# KiCad board afterglow_nano_smd.kicad_pcb
title: afterglow 1.3; company: morbid cornflakes
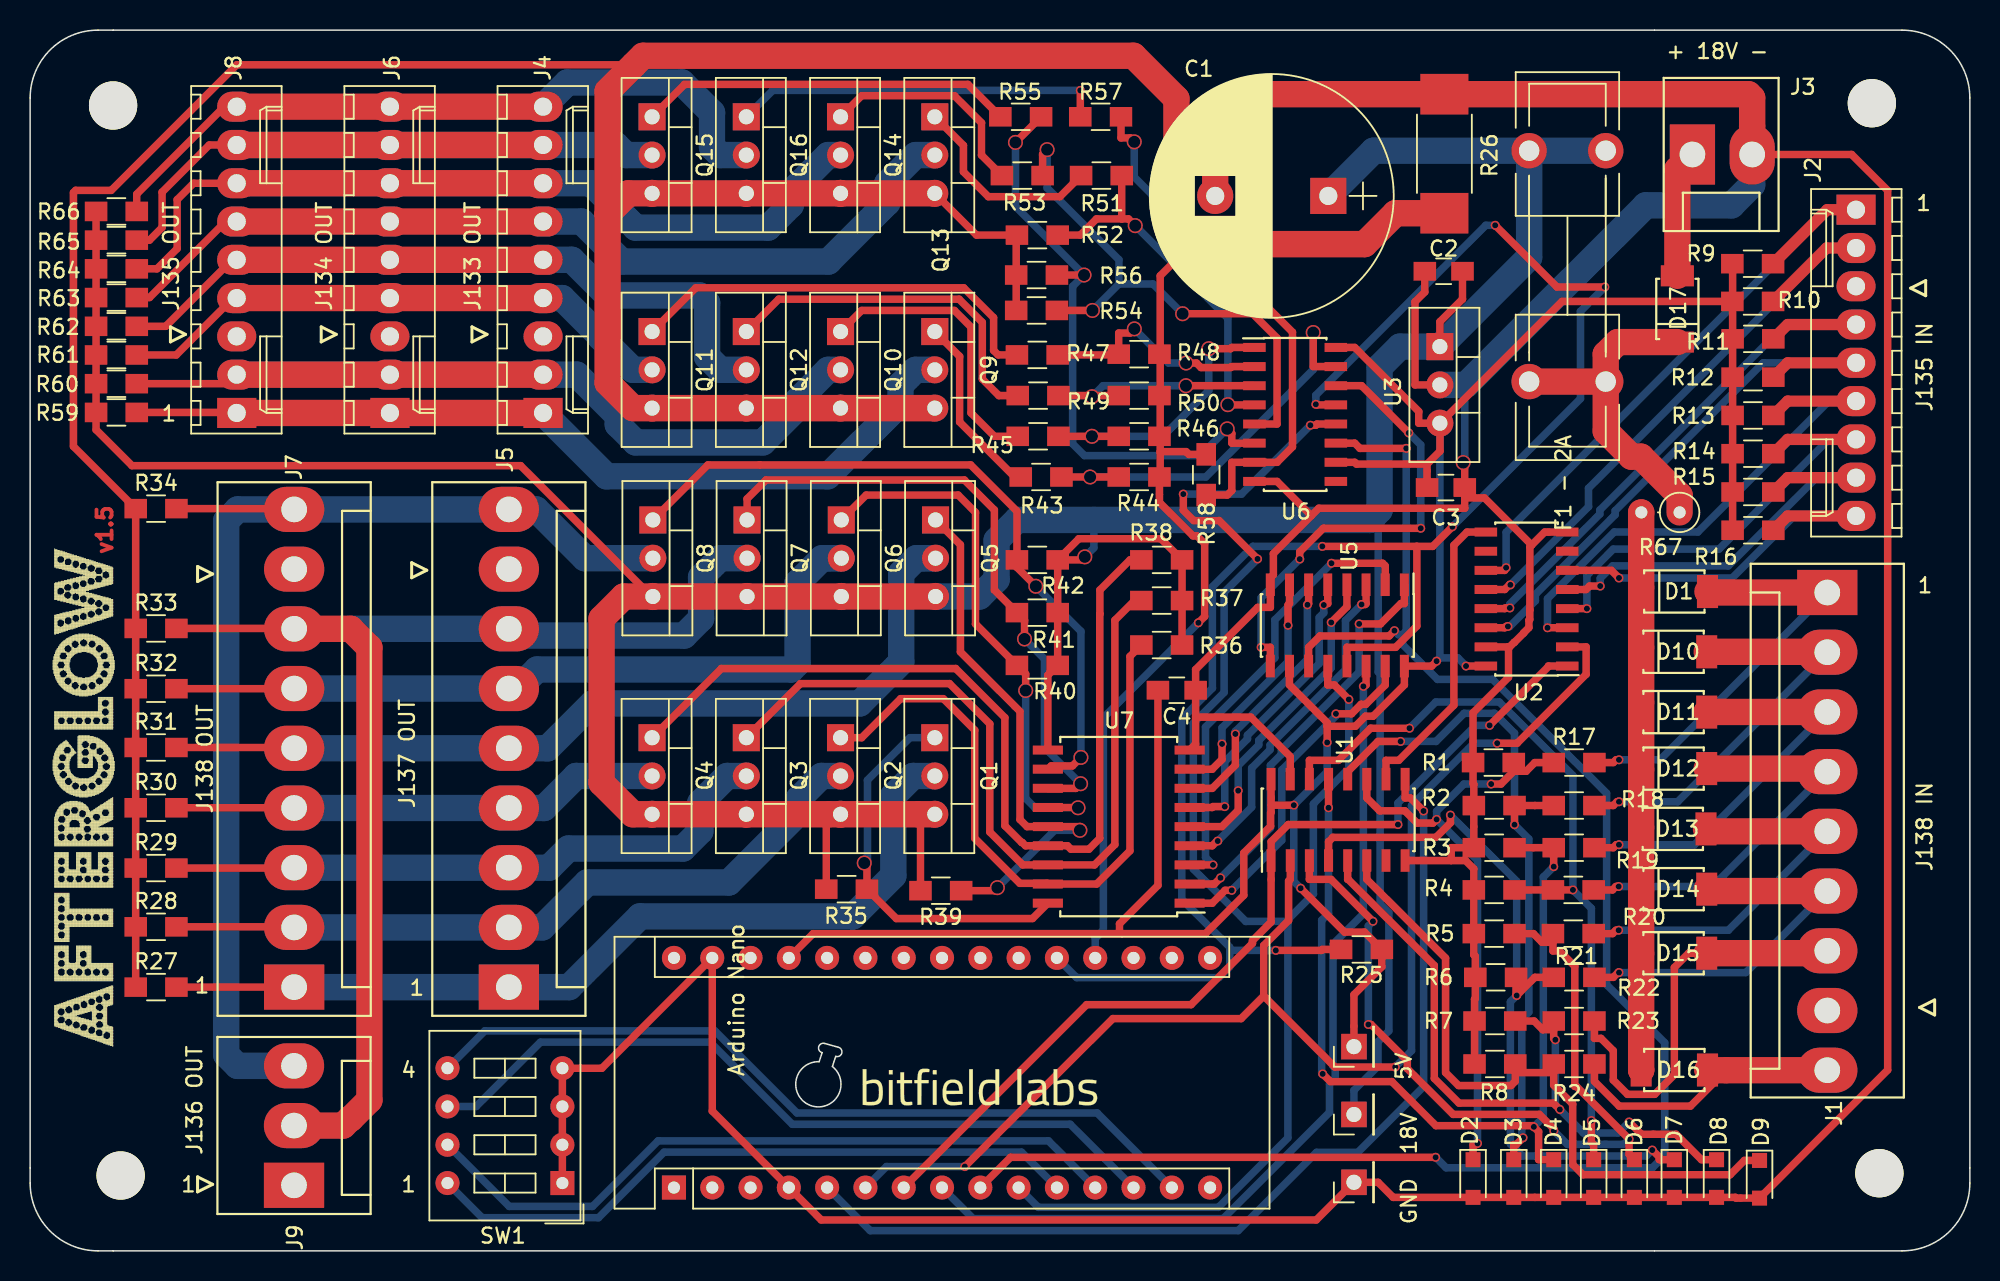
[diagram p0: board, top side]
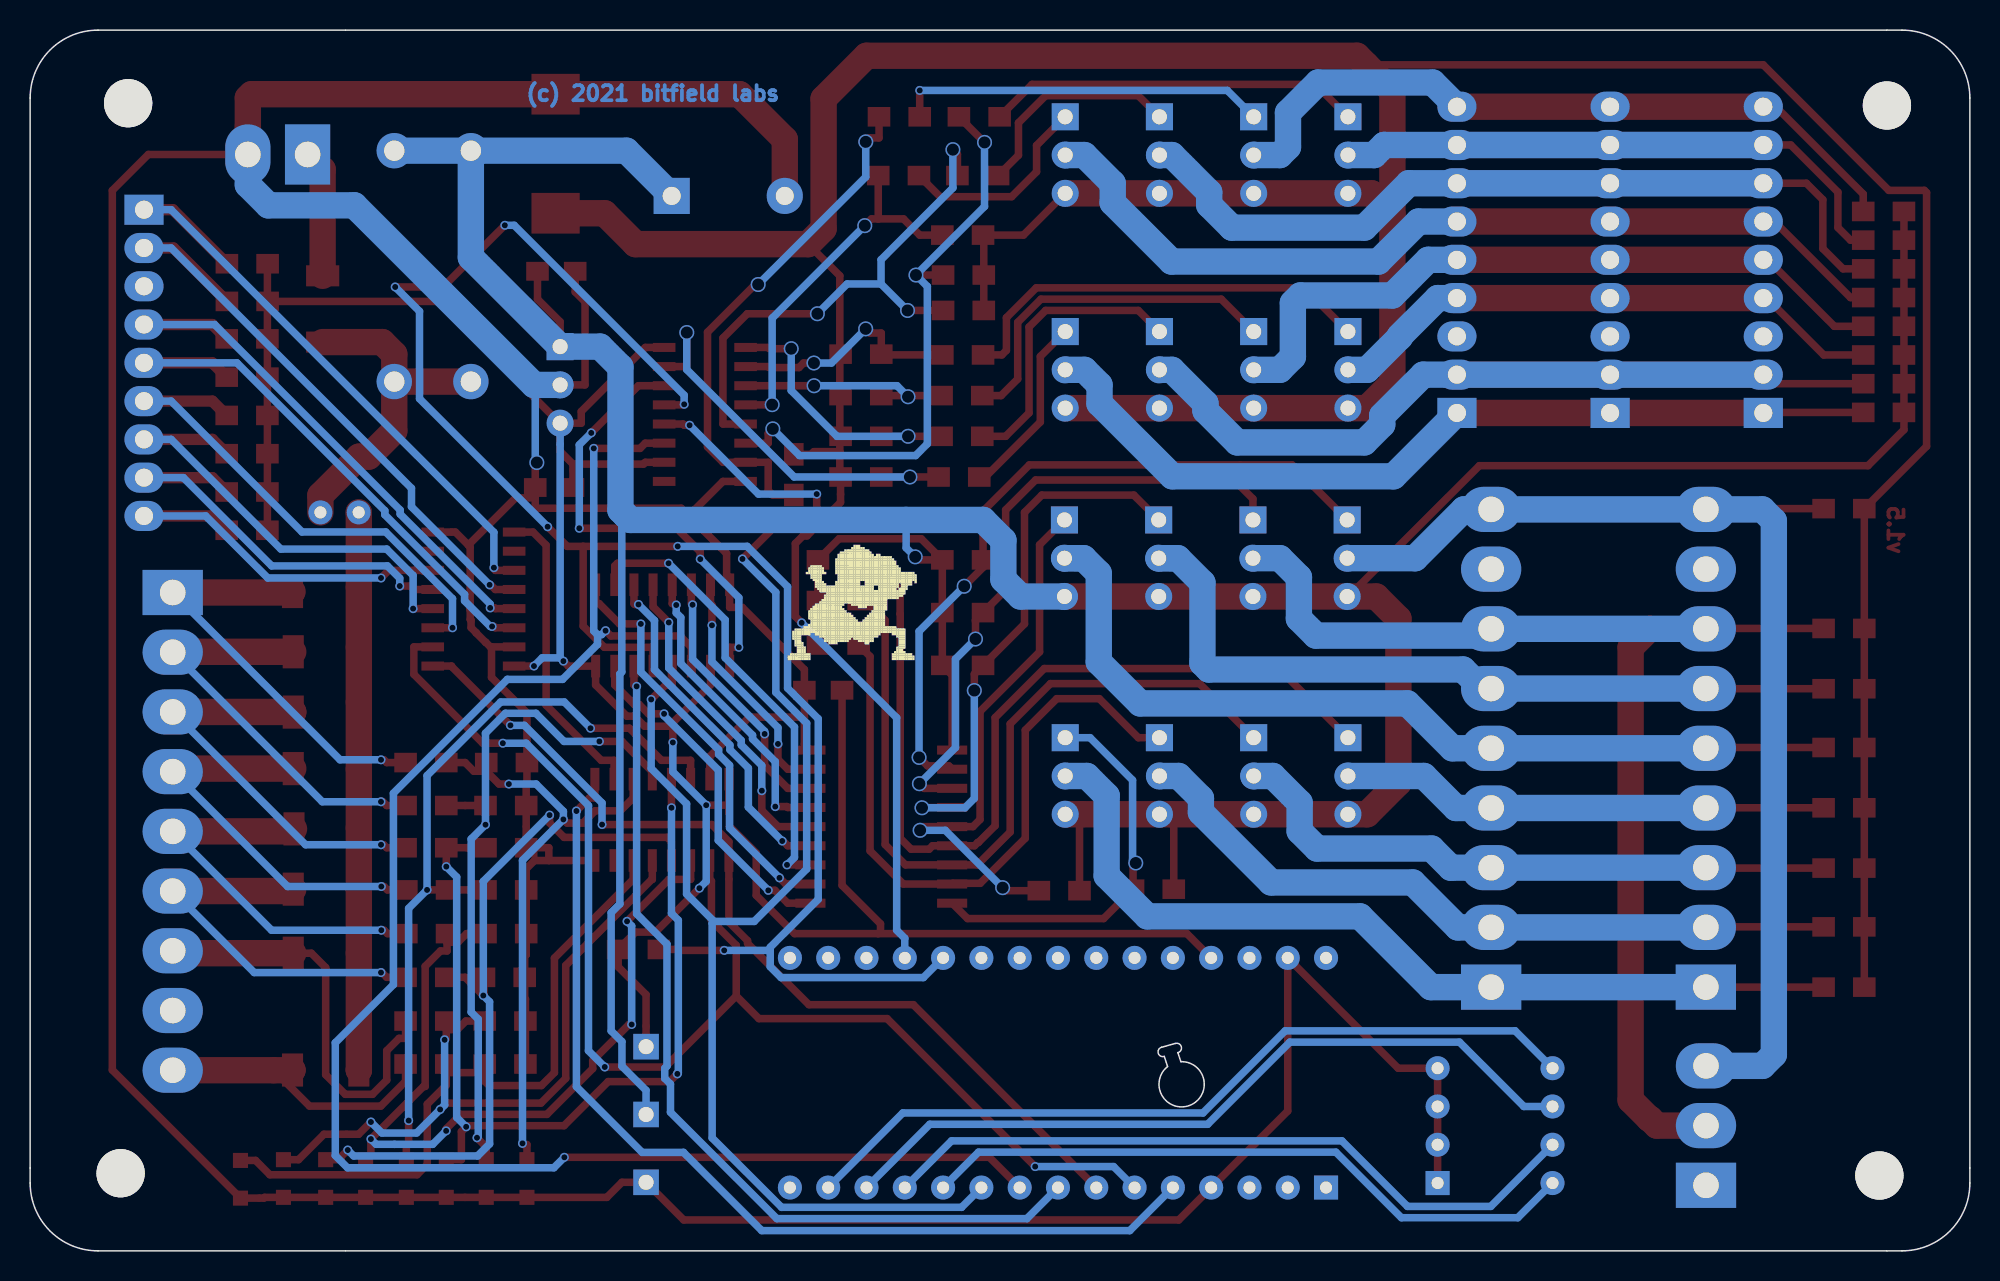
[diagram p1: board, bottom side, seen from below]

Outline 128.65 x 81 mm; copper layers: Top, Bottom. Coordinates in mm from the lower left corner of the outline.
Outline path: 0,76.5 0,4.5 arc(1.32,1.32) 4.5,0 124.15,0 arc(127.33,1.32) 128.65,4.5 128.65,76.5 arc(127.33,79.68) 124.15,81 4.5,81 arc(1.32,79.68) 0,76.5 ; 52.33,12.55 52.53,13.15 arc(52.3,13.55) 52.71,13.76 53.61,13.51 arc(53.83,13.11) 53.43,12.9 53.21,12.23 arc(51.76,9.64) 52.33,12.55

## Placement (name value [footprint] x y rotation side)
5V  TestPoint  [Pin_Header_Straight_1x01_Pitch2.54mm]  87.8 13.55 90 top
18V  TestPoint  [Pin_Header_Straight_1x01_Pitch2.54mm]  87.8 9.05 90 top
afterglow  -  [afterglow]  1.5 13.55 90 top
Arduino Nano  Arduino_Nano_v3.x  [Arduino_Nano]  42.7 4.2 90 top
C1  1000uF  [CP_Radial_D16.0mm_P7.50mm]  86.1 70 180 top
C2  0.33  [C_0805_HandSoldering]  93.75 65 180 top
C3  0.1  [C_0805_HandSoldering]  93.9 50.65 0 top
C4  0.33  [C_0805_HandSoldering]  76.05 37.2 180 top
D1  RB080  [SOD-128]  109.05 43.75 180 top
D2  4.7V  [D_SOD-323_HandSoldering]  95.7 4.8 270 top
D3  4.7V  [D_SOD-323_HandSoldering]  98.4 4.8 270 top
D4  4.7V  [D_SOD-323_HandSoldering]  101.05 4.8 270 top
D5  4.7V  [D_SOD-323_HandSoldering]  103.7 4.8 270 top
D6  4.7V  [D_SOD-323_HandSoldering]  106.4 4.8 270 top
D7  4.7V  [D_SOD-323_HandSoldering]  109.05 4.8 270 top
D8  4.7V  [D_SOD-323_HandSoldering]  111.85 4.8 270 top
D9  4.7V  [D_SOD-323_HandSoldering]  114.7 4.75 270 top
D10  RB080  [SOD-128]  109 39.75 180 top
D11  RB080  [SOD-128]  109 35.75 180 top
D12  RB080  [SOD-128]  109 32 180 top
D13  RB080  [SOD-128]  108.95 28 180 top
D14  RB080  [SOD-128]  109 24 180 top
D15  RB080  [SOD-128]  109 19.75 180 top
D16  RB080  [SOD-128]  109.05 12 180 top
D17  RB080  [SOD-128]  109.25 62.5 270 top
F1 - 2A  5A SB  [Fuseholder5x20_horiz_open_lateral_Type-II]  104.5 73 270 top
FLAKIE  -  [FLAKIE_inv]  78.55 46.85 180 bottom
G***  LOGO  [bl_text]  62.98 10.8 0 top
GND  TestPoint  [Pin_Header_Straight_1x01_Pitch2.54mm]  87.8 4.55 90 top
J1  J137_IN_C  [Molex_KK-41791-9_9x3.96mm_Straight]  119.19 43.69 270 top
J2  J133_IN_R  [Molex_KK-6410-09_09x2.54mm_Straight]  121.1 69.09 270 top
J3  Conn_Power  [Molex_KK-41791-02_02x3.96mm_Straight]  110.25 72.75 0 top
J4  J133_OUT_R  [Molex_KK-6410-09_09x2.54mm_Straight]  34.02 55.6 90 top
J5  J137_OUT_C  [Molex_KK-41791-9_9x3.96mm_Straight]  31.75 17.5 90 top
J6  J134_OUT_R  [Molex_KK-6410-09_09x2.54mm_Straight]  23.86 55.6 90 top
J7  J138_OUT_C  [Molex_KK-41791-9_9x3.96mm_Straight]  17.51 17.5 90 top
J8  J135_OUT_R  [Molex_KK-6410-09_09x2.54mm_Straight]  13.7 55.6 90 top
J9  136_OUT_C  [Molex_KK-41791-03_03x3.96mm_Straight]  17.5 4.35 90 top
M3_1  -  [MountingHole_3.2mm_M3]  5.5 76 0 top
M3_2  -  [MountingHole_3.2mm_M3]  122.15 76.15 0 top
M3_3  -  [MountingHole_3.2mm_M3]  122.65 5.15 0 top
M3_4  -  [MountingHole_3.2mm_M3]  6 5 0 top
Q1  FQP11P06  [TO-220_Vertical]  60 34.05 270 top
Q2  FQP11P06  [TO-220_Vertical]  53.75 34.05 270 top
Q3  FQP11P06  [TO-220_Vertical]  47.5 34.05 270 top
Q4  FQP11P06  [TO-220_Vertical]  41.25 34.05 270 top
Q5  FQP11P06  [TO-220_Vertical]  60.05 48.5 270 top
Q6  FQP11P06  [TO-220_Vertical]  53.8 48.5 270 top
Q7  FQP11P06  [TO-220_Vertical]  47.55 48.5 270 top
Q8  FQP11P06  [TO-220_Vertical]  41.3 48.5 270 top
Q9  FQP13N06L  [TO-220_Vertical]  60 61 270 top
Q10  FQP13N06L  [TO-220_Vertical]  53.75 61 270 top
Q11  FQP13N06L  [TO-220_Vertical]  41.25 61 270 top
Q12  FQP13N06L  [TO-220_Vertical]  47.5 61 270 top
Q13  FQP13N06L  [TO-220_Vertical]  60 75.25 270 top
Q14  FQP13N06L  [TO-220_Vertical]  53.75 75.25 270 top
Q15  FQP13N06L  [TO-220_Vertical]  41.25 75.25 270 top
Q16  FQP13N06L  [TO-220_Vertical]  47.5 75.25 270 top
R1  1k  [R_0805_HandSoldering]  97.05 32.4 180 top
R2  1k  [R_0805_HandSoldering]  97.1 29.55 180 top
R3  1k  [R_0805_HandSoldering]  97.1 26.75 180 top
R4  1k  [R_0805_HandSoldering]  97.1 23.95 180 top
R5  1k  [R_0805_HandSoldering]  97.1 21.05 180 top
R6  1k  [R_0805_HandSoldering]  97.2 18.15 180 top
R7  1k  [R_0805_HandSoldering]  97.15 15.25 180 top
R8  1k  [R_0805_HandSoldering]  97.15 12.4 180 top
R9  1k  [R_0805_HandSoldering]  114.25 65.5 180 top
R10  1k  [R_0805_HandSoldering]  114.25 63 180 top
R11  1k  [R_0805_HandSoldering]  114.26 60.52 180 top
R12  1k  [R_0805_HandSoldering]  114.26 57.97 180 top
R13  1k  [R_0805_HandSoldering]  114.26 55.44 180 top
R14  1k  [R_0805_HandSoldering]  114.26 52.89 180 top
R15  1k  [R_0805_HandSoldering]  114.26 50.36 180 top
R16  1k  [R_0805_HandSoldering]  114.26 47.81 180 top
R17  1k  [R_0805_HandSoldering]  102.4 32.4 0 top
R18  1k  [R_0805_HandSoldering]  102.4 29.55 0 top
R19  1k  [R_0805_HandSoldering]  102.4 26.75 0 top
R20  1k  [R_0805_HandSoldering]  102.35 23.95 0 top
R21  1k  [R_0805_HandSoldering]  102.35 21.05 0 top
R22  1k  [R_0805_HandSoldering]  102.4 18.15 0 top
R23  1k  [R_0805_HandSoldering]  102.4 15.25 0 top
R24  1k  [R_0805_HandSoldering]  102.4 12.4 0 top
R25  10k  [R_0805_HandSoldering]  88.3 20 180 top
R26  0.22  [R_2512_HandSoldering]  93.8 72.8 270 top
R27  10k  [R_0805_HandSoldering]  8.35 17.5 0 top
R28  10k  [R_0805_HandSoldering]  8.35 21.5 0 top
R29  10k  [R_0805_HandSoldering]  8.35 25.4 0 top
R30  10k  [R_0805_HandSoldering]  8.35 29.4 0 top
R31  10k  [R_0805_HandSoldering]  8.35 33.4 0 top
R32  10k  [R_0805_HandSoldering]  8.35 37.3 0 top
R33  10k  [R_0805_HandSoldering]  8.35 41.3 0 top
R34  10k  [R_0805_HandSoldering]  8.35 49.25 0 top
R35  2k  [R_0805_HandSoldering]  54.15 24 0 top
R36  2k  [R_0805_HandSoldering]  75.05 40.2 180 top
R37  2k  [R_0805_HandSoldering]  75.05 43.15 180 top
R38  2k  [R_0805_HandSoldering]  75.05 45.85 180 top
R39  2k  [R_0805_HandSoldering]  60.4 23.9 0 top
R40  2k  [R_0805_HandSoldering]  66.8 38.85 180 top
R41  2k  [R_0805_HandSoldering]  66.8 42.35 180 top
R42  2k  [R_0805_HandSoldering]  66.8 45.85 180 top
R43  220  [R_0805_HandSoldering]  67.05 51.35 0 top
R44  10k  [R_0805_HandSoldering]  73.55 51.35 180 top
R45  220  [R_0805_HandSoldering]  66.85 54.05 0 top
R46  10k  [R_0805_HandSoldering]  73.55 54.05 180 top
R47  220  [R_0805_HandSoldering]  66.8 59.45 0 top
R48  10k  [R_0805_HandSoldering]  73.55 59.5 180 top
R49  220  [R_0805_HandSoldering]  66.85 56.75 0 top
R50  10k  [R_0805_HandSoldering]  73.55 56.75 180 top
R51  220  [R_0805_HandSoldering]  71.05 71.35 0 top
R52  10k  [R_0805_HandSoldering]  66.8 67.4 0 top
R53  220  [R_0805_HandSoldering]  65.8 71.35 0 top
R54  10k  [R_0805_HandSoldering]  66.75 62.4 0 top
R55  220  [R_0805_HandSoldering]  65.7 75.25 0 top
R56  10k  [R_0805_HandSoldering]  66.75 64.75 0 top
R57  220  [R_0805_HandSoldering]  71 75.25 0 top
R58  10k  [R_0805_HandSoldering]  78 51.5 270 top
R59  10k  [R_0805_HandSoldering]  5.72 55.64 180 top
R60  10k  [R_0805_HandSoldering]  5.72 57.54 180 top
R61  10k  [R_0805_HandSoldering]  5.72 59.44 180 top
R62  10k  [R_0805_HandSoldering]  5.72 61.35 180 top
R63  10k  [R_0805_HandSoldering]  5.72 63.25 180 top
R64  10k  [R_0805_HandSoldering]  5.72 65.16 180 top
R65  10k  [R_0805_HandSoldering]  5.72 67.06 180 top
R66  10k  [R_0805_HandSoldering]  5.72 68.97 180 top
R67  0  [R_Axial_DIN0207_L6.3mm_D2.5mm_P2.54mm_Vertical]  109.4 49 180 top
SW1  CFG  [SW_DIP_x4_W7.62mm_Slide]  35.3 4.5 180 top
U1  74LS165  [SOIC-16_3.9x9.9mm_Pitch1.27mm]  86.75 28.6 90 top
U2  74LS165  [SOIC-16_3.9x9.9mm_Pitch1.27mm]  99.25 43.25 180 top
U3  5V_Regulator  [TO-220_Vertical]  93.5 60 270 top
U5  74HC595  [SOIC-16_3.9x9.9mm_Pitch1.27mm]  86.7 41.5 270 top
U6  74HC595  [SOIC-16_3.9x9.9mm_Pitch1.27mm]  83.9 55.5 0 top
U7  ULN2803A  [SOIC-18W_7.5x11.6mm_Pitch1.27mm]  72.2 28.15 180 top

## Footprints (pads in the part's own frame, mm; a bottom-side part is the same pattern mirrored in y, then rotated)
Arduino_Nano
  rect 1.6x1.6 hole 0.8: 1(0,0)
  oval 1.6x1.6 hole 0.8: 2(0,-2.54) 3(0,-5.08) 4(0,-7.62) 5(0,-10.16) 6(0,-12.7) 7(0,-15.24) 8(0,-17.78) 9(0,-20.32) 10(0,-22.86) 11(0,-25.4) 12(0,-27.94) 13(0,-30.48) 14(0,-33.02) 15(0,-35.56) 16(15.24,-35.56) 17(15.24,-33.02) 18(15.24,-30.48) 19(15.24,-27.94) 20(15.24,-25.4) 21(15.24,-22.86) 22(15.24,-20.32) 23(15.24,-17.78) 24(15.24,-15.24) 25(15.24,-12.7) 26(15.24,-10.16) 27(15.24,-7.62) 28(15.24,-5.08) 29(15.24,-2.54) 30(15.24,0)
C_0805_HandSoldering
  rect 1.5x1.25 smd: 1(-1.25,0) 2(1.25,0)
CP_Radial_D16.0mm_P7.50mm
  rect 2.4x2.4 hole 1.2: 1(0,0)
  round 2.4 hole 1.2: 2(7.5,0)
D_SOD-323_HandSoldering
  rect 1x1 smd: 1(-1.25,0) 2(1.25,0)
Fuseholder5x20_horiz_open_lateral_Type-II
  round 2.35 hole 1.35: 1(0,0) 1(0,-5.08) 2(15.32,0) 2(15.32,-5.08)
Molex_KK-6410-09_09x2.54mm_Straight
  rect 2x2.6 hole 1.2: 1(0,0)
  oval 2x2.6 hole 1.2: 2(2.54,0) 3(5.08,0) 4(7.62,0) 5(10.16,0) 6(12.7,0) 7(15.24,0) 8(17.78,0) 9(20.32,0)
Molex_KK-41791-02_02x3.96mm_Straight
  rect 3x4 hole 1.7: 1(0,0)
  oval 3x4 hole 1.7: 2(3.962,0)
Molex_KK-41791-03_03x3.96mm_Straight
  rect 3x4 hole 1.7: 1(0,0)
  oval 3x4 hole 1.7: 2(3.962,0) 3(7.925,0)
Molex_KK-41791-9_9x3.96mm_Straight
  rect 3x4 hole 1.7: 1(0,0)
  oval 3x4 hole 1.7: 2(3.962,0) 3(7.925,0) 4(11.887,0) 5(15.85,0) 6(19.812,0) 7(23.774,0) 8(27.737,0) 9(31.699,0)
MountingHole_3.2mm_M3
  round 3.2 hole 3.2 unplated: (0,0)
Pin_Header_Straight_1x01_Pitch2.54mm
  rect 1.7x1.7 hole 1: 1(0,0)
R_0805_HandSoldering
  rect 1.5x1.3 smd: 1(-1.35,0) 2(1.35,0)
R_2512_HandSoldering
  rect 2.7x3.2 smd: 1(-3.95,0) 2(3.95,0)
R_Axial_DIN0207_L6.3mm_D2.5mm_P2.54mm_Vertical
  round 1.6 hole 0.8: 1(0,0)
  oval 1.6x1.6 hole 0.8: 2(2.54,0)
SOD-128
  rect 1.4x2.2 smd: 1(2.2,0) 2(-2.2,0)
SOIC-16_3.9x9.9mm_Pitch1.27mm
  rect 1.5x0.6 smd: 1(-2.7,4.445) 2(-2.7,3.175) 3(-2.7,1.905) 4(-2.7,0.635) 5(-2.7,-0.635) 6(-2.7,-1.905) 7(-2.7,-3.175) 8(-2.7,-4.445) 9(2.7,-4.445) 10(2.7,-3.175) 11(2.7,-1.905) 12(2.7,-0.635) 13(2.7,0.635) 14(2.7,1.905) 15(2.7,3.175) 16(2.7,4.445)
SOIC-18W_7.5x11.6mm_Pitch1.27mm
  rect 2x0.6 smd: 1(-4.7,5.08) 2(-4.7,3.81) 3(-4.7,2.54) 4(-4.7,1.27) 5(-4.7,0) 6(-4.7,-1.27) 7(-4.7,-2.54) 8(-4.7,-3.81) 9(-4.7,-5.08) 10(4.7,-5.08) 11(4.7,-3.81) 12(4.7,-2.54) 13(4.7,-1.27) 14(4.7,0) 15(4.7,1.27) 16(4.7,2.54) 17(4.7,3.81) 18(4.7,5.08)
SW_DIP_x4_W7.62mm_Slide
  rect 1.6x1.6 hole 0.8: 1(0,0)
  oval 1.6x1.6 hole 0.8: 2(0,-2.54) 3(0,-5.08) 4(0,-7.62) 5(7.62,-7.62) 6(7.62,-5.08) 7(7.62,-2.54) 8(7.62,0)
TO-220_Vertical
  rect 1.8x1.8 hole 1: 1(0,0)
  oval 1.8x1.8 hole 1: 2(2.54,0) 3(5.08,0)

## Nets
/5V: 5V.1 Arduino Nano.27 C3.1 C4.2 R9.2 R10.2 R11.2 R12.2 R13.2 R14.2 R15.2 R16.2 R25.1 U1.16 U2.16 U3.3 U5.10 U5.16 U6.10 U6.16
/18V: 18V.1 C1.1 C2.1 F1 - 2A.1 Q1.3 Q2.3 Q3.3 Q4.3 Q5.3 Q6.3 Q7.3 Q8.3 R35.1 R36.1 R37.1 R38.1 R39.1 R40.1 R41.1 R42.1 R59.2 R60.2 R61.2 R62.2 R63.2 R64.2 R65.2 R66.2 U3.1 U7.10
GND: Arduino Nano.4 Arduino Nano.29 C1.2 C2.2 C3.2 C4.1 D2.2 D3.2 D4.2 D5.2 D6.2 D7.2 D8.2 D9.2 GND.1 J3.2 R1.2 R2.2 R3.2 R4.2 R5.2 R6.2 R7.2 R8.2 R26.1 SW1.1 SW1.2 SW1.3 SW1.4 U1.8 U1.15 U2.8 U2.15 U3.2 U5.8 U6.8 U7.9
/CI1: D2.1 R1.1 R17.1 U1.11
/CI2: D3.1 R2.1 R18.1 U1.12
/CI3: D4.1 R3.1 R19.1 U1.13
/CI4: D5.1 R4.1 R20.1 U1.14
/CI5: D6.1 R5.1 R21.1 U1.3
/CI6: D7.1 R6.1 R22.1 U1.4
/CI7: D8.1 R7.1 R23.1 U1.5
/CI8: D9.1 R8.1 R24.1 U1.6
/CO1: Q1.1 R35.2 U7.18
/CO2: Q2.1 R36.2 U7.17
/CO3: Q3.1 R37.2 U7.16
/CO4: Q4.1 R38.2 U7.15
/CO5: Q5.1 R39.2 U7.14
/CO6: Q6.1 R40.2 U7.13
/CO7: Q7.1 R41.2 U7.12
/CO8: Q8.1 R42.2 U7.11
/IN_CLK: Arduino Nano.6 U1.2 U2.2
/IN_DATA: Arduino Nano.5 U1.9
/IN_LOAD: Arduino Nano.7 U1.1 U2.1
/J133_RO1: J4.1 J6.1 J8.1 Q9.2 R59.1
/J133_RO2: J4.2 J6.2 J8.2 Q10.2 R60.1
/J133_RO3: J4.4 J6.4 J8.4 Q11.2 R61.1
/J133_RO4: J4.5 J6.5 J8.5 Q12.2 R62.1
/J133_RO5: J4.6 J6.6 J8.6 Q13.2 R63.1
/J133_RO6: J4.7 J6.7 J8.7 Q14.2 R64.1
/J133_RO7: J4.8 J6.8 J8.8 Q15.2 R65.1
/J133_RO8: J4.9 J6.9 J8.9 Q16.2 R66.1
/J137_CO1: J5.1 J7.1 Q1.2 R27.2
/J137_CO2: J5.2 J7.2 Q2.2 R28.2
/J137_CO3: J5.3 J7.3 Q3.2 R29.2
/J137_CO4: J5.4 J7.4 Q4.2 R30.2
/J137_CO5: J5.5 J7.5 Q5.2 R31.2
/J137_CO6: J5.6 J7.6 Q6.2 R32.2
/J137_CO7: J5.7 J7.7 J9.2 Q7.2 R33.2
/J137_CO8: J5.9 J7.9 J9.3 Q8.2 R34.2
/OUT_CLK: Arduino Nano.9 U5.11 U6.11
/OUT_DATA: Arduino Nano.8 U5.14
/OUT_LOAD: Arduino Nano.10 U5.12 U6.12
/RI1: J2.1 R9.1 U2.11
/RI2: J2.2 R10.1 U2.12
/RI3: J2.4 R11.1 U2.13
/RI4: J2.5 R12.1 U2.14
/RI5: J2.6 R13.1 U2.3
/RI6: J2.7 R14.1 U2.4
/RI7: J2.8 R15.1 U2.5
/RI8: J2.9 R16.1 U2.6
/RO1: R43.2 R44.2 U6.15
/RO2: R45.2 R46.2 U6.1
/RO3: R47.2 R48.2 U6.2
/RO4: R49.2 R50.2 U6.3
/RO5: R51.2 R52.2 U6.4
/RO6: R53.2 R54.2 U6.5
/RO7: R55.2 R56.2 U6.6
/RO8: R57.2 R58.2 U6.7
/SUP_GND: Arduino Nano.19 Q9.3 Q10.3 Q11.3 Q12.3 Q13.3 Q14.3 Q15.3 Q16.3 R26.2 R27.1 R28.1 R29.1 R30.1 R31.1 R32.1 R33.1 R34.1 R44.1 R46.1 R48.1 R50.1 R52.1 R54.1 R56.1 R58.1
Net-(A1-Pad1): Arduino Nano.1
Net-(A1-Pad2): Arduino Nano.2
Net-(A1-Pad3): Arduino Nano.3
Net-(A1-Pad11): Arduino Nano.11 SW1.8
Net-(A1-Pad12): Arduino Nano.12 SW1.7
Net-(A1-Pad13): Arduino Nano.13 SW1.6
Net-(A1-Pad14): Arduino Nano.14 SW1.5
Net-(A1-Pad15): Arduino Nano.15
Net-(A1-Pad16): Arduino Nano.16
Net-(A1-Pad17): Arduino Nano.17
Net-(A1-Pad18): Arduino Nano.18
Net-(A1-Pad20): Arduino Nano.20 R25.2 U5.13 U6.13
Net-(A1-Pad21): Arduino Nano.21
Net-(A1-Pad22): Arduino Nano.22
Net-(A1-Pad23): Arduino Nano.23
Net-(A1-Pad24): Arduino Nano.24
Net-(A1-Pad25): Arduino Nano.25
Net-(A1-Pad26): Arduino Nano.26
Net-(A1-Pad28): Arduino Nano.28
Net-(A1-Pad30): Arduino Nano.30
Net-(D1-Pad1): D1.1 D10.1 D11.1 D12.1 D13.1 D14.1 D15.1 D16.1 R67.2
Net-(D1-Pad2): D1.2 J1.1 R17.2
Net-(D10-Pad2): D10.2 J1.2 R18.2
Net-(D11-Pad2): D11.2 J1.3 R19.2
Net-(D12-Pad2): D12.2 J1.4 R20.2
Net-(D13-Pad2): D13.2 J1.5 R21.2
Net-(D14-Pad2): D14.2 J1.6 R22.2
Net-(D15-Pad2): D15.2 J1.7 R23.2
Net-(D16-Pad2): D16.2 J1.9 R24.2
Net-(D17-Pad1): D17.1 F1 - 2A.2 R67.1
Net-(D17-Pad2): D17.2 J3.1
Net-(J1-Pad8): J1.8
Net-(J2-Pad3): J2.3
Net-(J4-Pad3): J4.3
Net-(J5-Pad8): J5.8
Net-(J6-Pad3): J6.3
Net-(J7-Pad8): J7.8
Net-(J8-Pad3): J8.3
Net-(J9-Pad1): J9.1
Net-(Q9-Pad1): Q9.1 R43.1
Net-(Q10-Pad1): Q10.1 R45.1
Net-(Q11-Pad1): Q11.1 R47.1
Net-(Q12-Pad1): Q12.1 R49.1
Net-(Q13-Pad1): Q13.1 R51.1
Net-(Q14-Pad1): Q14.1 R53.1
Net-(Q15-Pad1): Q15.1 R55.1
Net-(Q16-Pad1): Q16.1 R57.1
Net-(U1-Pad7): U1.7
Net-(U1-Pad10): U1.10 U2.9